# Altium PCB DB46.PcbDoc (part 1 of 6) (continued)
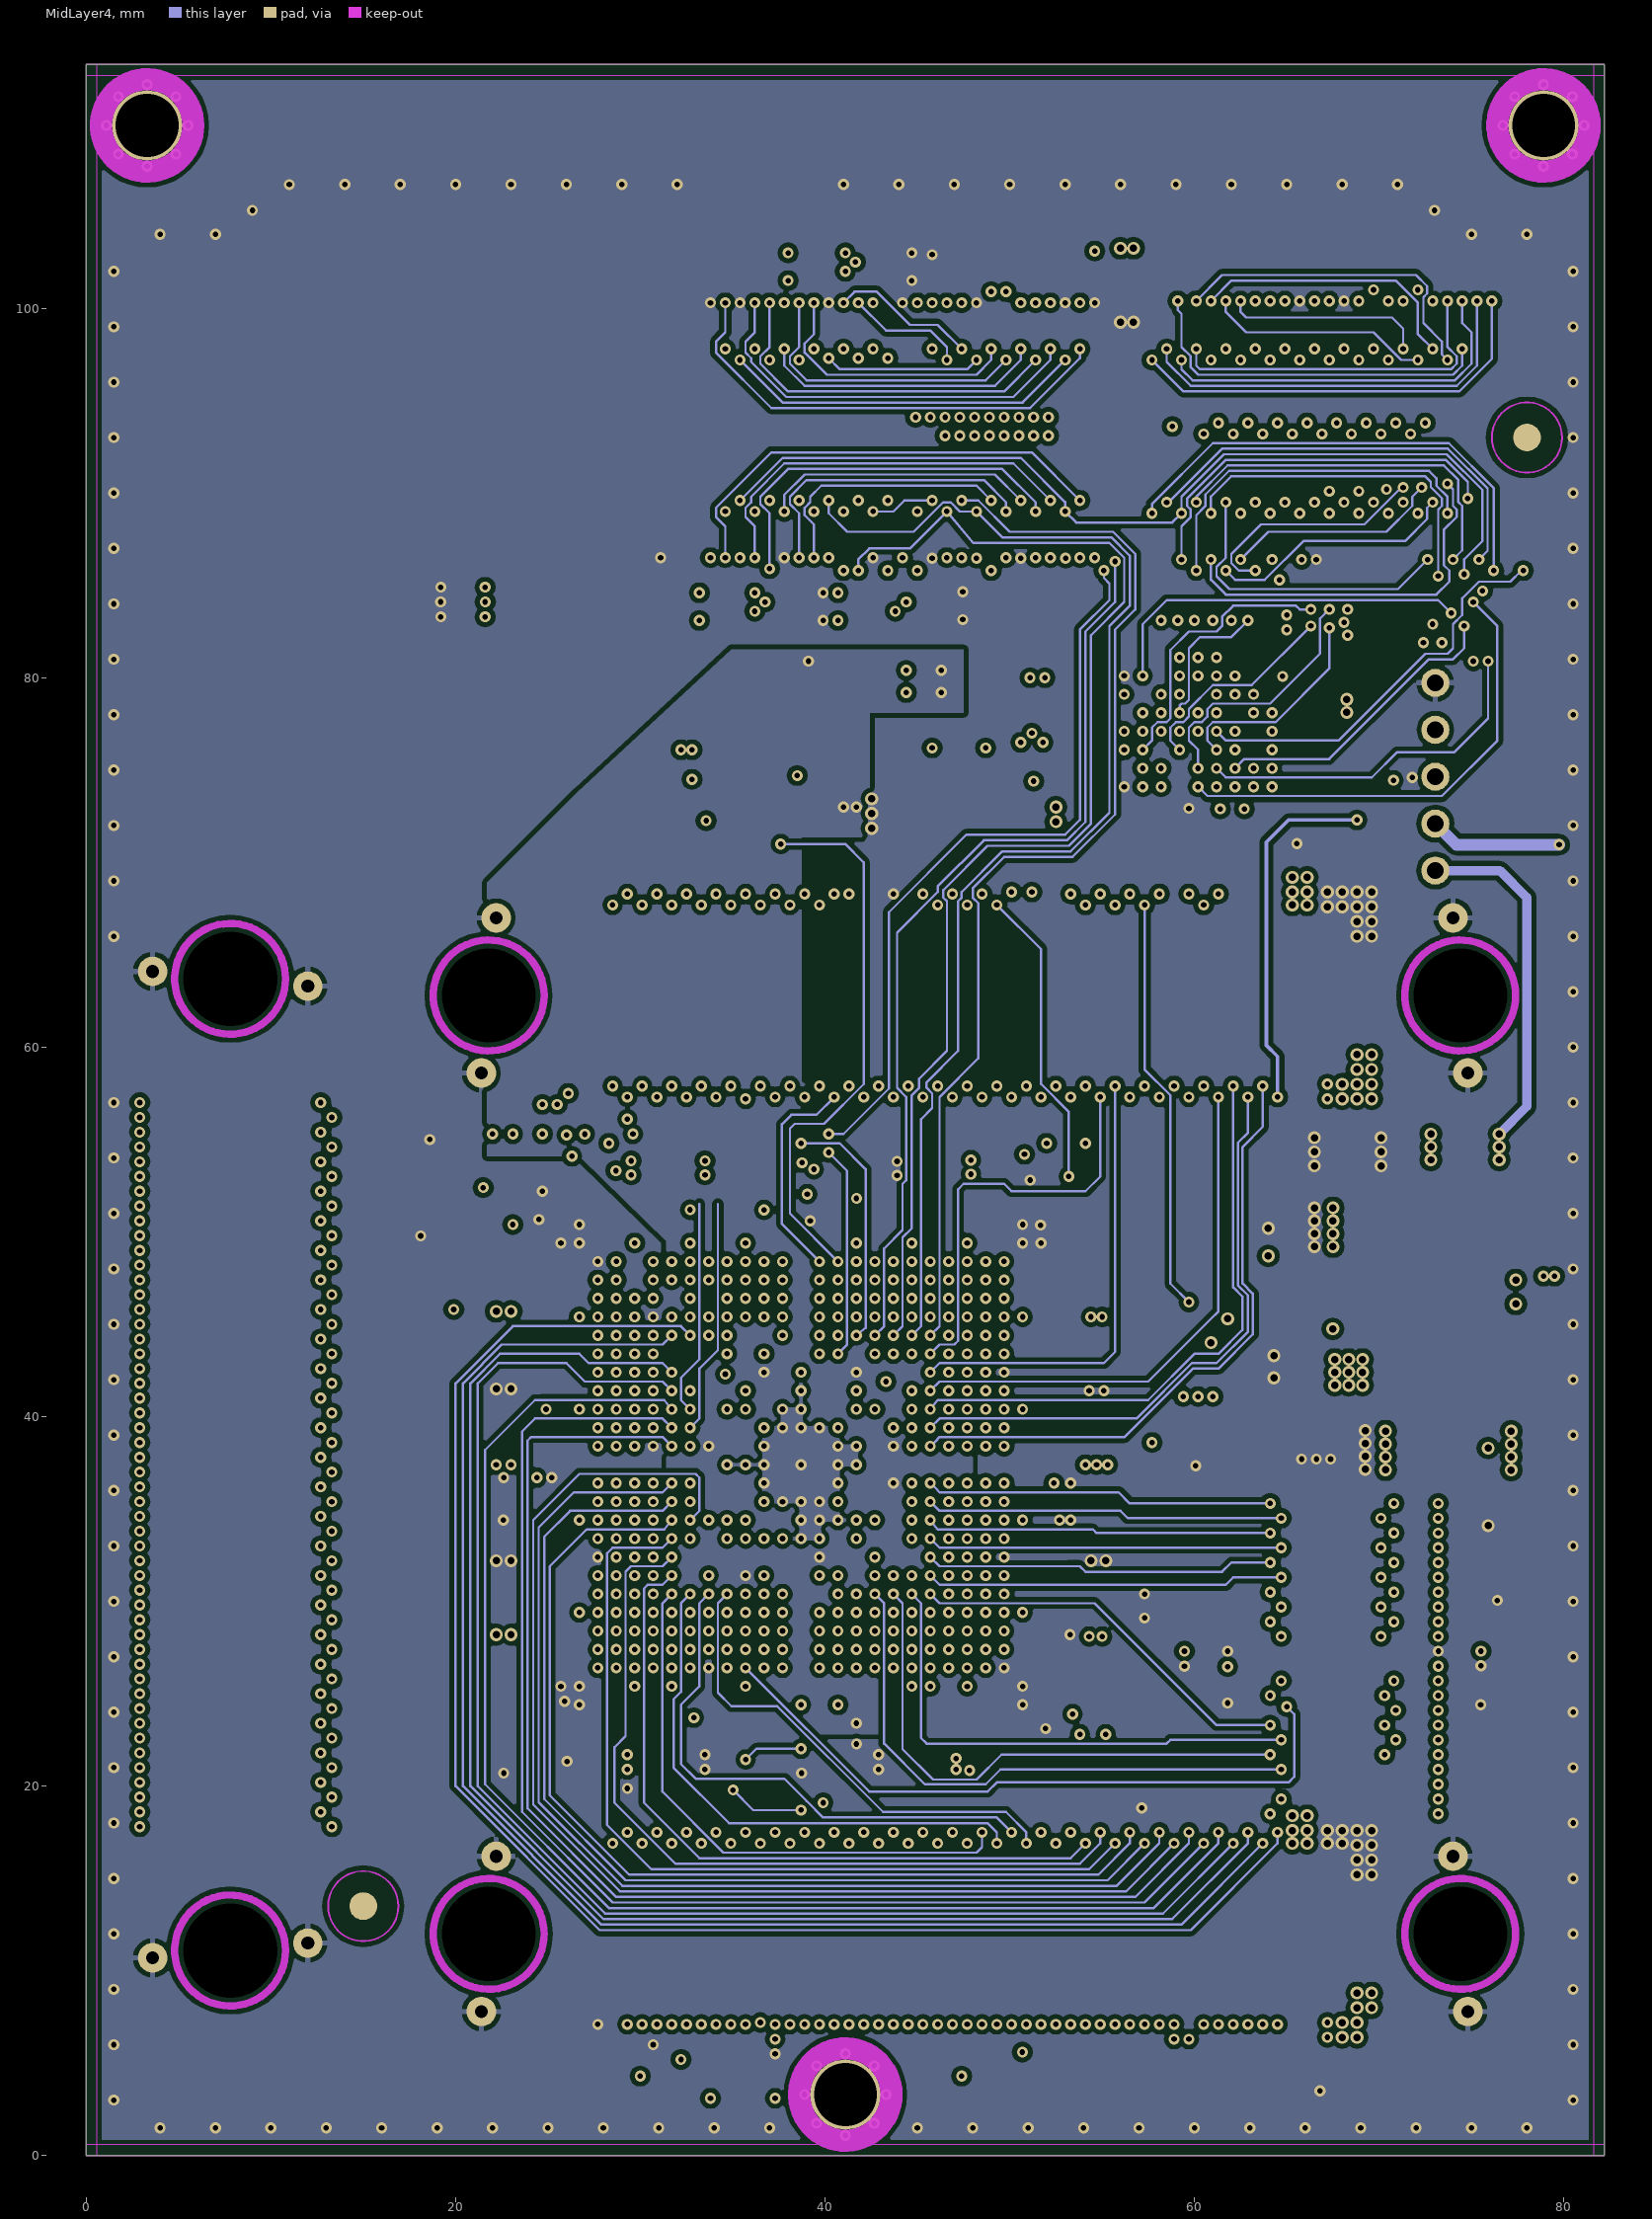
[diagram p7: MidLayer4]

## Layer stack, top to bottom
Top Solder: solder mask 0.0102, Solder Resist, Dk 3.5
Top Layer: signal copper 0.0432
Dielectric1: prepreg 0.127, FR-4, Dk 4.2
MidLayer1: signal copper 0.0356
Dielectric2: core 0.254, FR-4, Dk 4.2
MidLayer2: signal copper 0.0356
Dielectric3: prepreg 0.133, FR-4, Dk 4.2
GND: plane copper 0.036, net GND
Dielectric6: core 0.254, FR-4, Dk 4.2
MidLayer3: signal copper 0.0356
Dielectric4: prepreg 0.127, FR-4, Dk 4.2
VCC: plane copper 0.0356, net (Multiple Nets)
Dielectric7: core 0.254, FR-4, Dk 4.2
MidLayer4: signal copper 0.0356
Dielectric5: prepreg 0.127, FR-4, Dk 4.2
Bottom Layer: signal copper 0.0432
Bottom Solder: solder mask 0.0102, Solder Resist, Dk 3.5

## Board outline
0,0 0,113.2 38.7,113.2 82.2,113.2 82.2,0

## Design rules (kind name [scope] priority, off if disabled: settings)
Clearance Clearance_Poly_Tight [InNamedPolygon('FPGAPWR-BL-1V2') Or InNamedPolygon('FPGAPWR-BL-3V3') Or InNamedPolygon('FPGAPWR-BL-2V5A') Or InNamedPolygon('FPGAPWR-BL-2V5B') Or InNamedPolygon('FPGAPWR-BL-2V5C') Or InNamedPolygon('FPGAPWR-BL-2V5D') Or InNamedPolygon('FPGAPWR-ML1-1V2') Or InNamedPolygon('FPGAPWR-BL-2V5E') Or InNamedPolygon('1V2-CONNECT-TO-L1-C17' ) Or InNamedPolygon('2V5') Or InNamedPolygon('LX') Or InNamedPolygon('2V5-TOP-CAP') Or InNamedPolygon('AGND-TOP')] p1: gap=0.127 ignorepadtopadclearanceinfootprint=FALSE except(0: Arc-Hole Track-Hole SMDPad-Hole THPad-Hole Via-Hole Fill-Hole Poly-Hole Region-Hole Text-Hole)
Clearance Clearance_Polygon [InPolygon] p2: gap=0.254 ignorepadtopadclearanceinfootprint=FALSE except(0: Arc-Hole Track-Hole SMDPad-Hole THPad-Hole Via-Hole Fill-Hole Poly-Hole Region-Hole Text-Hole)
Clearance "Pad-Pad Clearance Same Net" [IsPad vs IsPad] p3: gap=0.127 ignorepadtopadclearanceinfootprint=FALSE except(0: Arc-Hole Track-Hole SMDPad-Hole THPad-Hole Via-Hole Fill-Hole Poly-Hole Region-Hole Text-Hole)
Clearance "General Clearance" [All] p4: gap=0.127 ignorepadtopadclearanceinfootprint=FALSE except(0: Arc-Hole Track-Hole SMDPad-Hole THPad-Hole Via-Hole Fill-Hole Poly-Hole Region-Hole Text-Hole)
ComponentClearance [All] p1 off: gap=0.2 collisioncheckmode=3 verticalgap=0.254 showdistances=FALSE
DiffPairsRouting [All] p1 off: maxlimit=0.254 minlimit=0.254 mostfreqgap=0.254 toplayer_minwidth=0.381 toplayer_maxwidth=0.381 toplayer_prefwidth=0.381 midlayer1_minwidth=0.381 midlayer1_maxwidth=0.381 midlayer1_prefwidth=0.381 midlayer2_minwidth=0.381 midlayer2_maxwidth=0.381 midlayer2_prefwidth=0.381 midlayer3_minwidth=0.381 midlayer3_maxwidth=0.381 midlayer3_prefwidth=0.381 midlayer4_minwidth=0.381 midlayer4_maxwidth=0.381 midlayer4_prefwidth=0.381 bottomlayer_minwidth=0.381 bottomlayer_maxwidth=0.381 bottomlayer_prefwidth=0.381 maxuncoupledlength=12.7
FabricationTestPointUsage TestPointUsage [All] p1 off: valid=0 allowmultiple=FALSE
FabricationTestpoint Testpoint [All] p1 off: side=3 testpointundercomponent=TRUE minsize=1.016 maxsize=2.54 preferedsize=1.524 minholesize=0 maxholesize=1.016 preferedholesize=0.813 testpointgrid=0.025 allowsidetop=TRUE allowsidebottom=TRUE usegrid=TRUE gridtolerance=0
HoleSize [All] p1: absolutevalues=TRUE maxlimit=5.2 minlimit=0 maxpercent=80.000 minpercent=20.000
MatchedLengths DiffPair_MatchedLengths [(IsDifferentialPair And (Name = 'HDMI_D0')) Or (IsDifferentialPair And (Name = 'HDMI_D1')) Or (IsDifferentialPair And (Name = 'HDMI_D2')) Or (IsDifferentialPair And (Name = 'HDMI_CLK'))] p1: tolerance=25.4 checknetsindiffpair=TRUE checkdiffpairvsdiffpair=FALSE checkxsignals=FALSE checkothers=FALSE
MatchedLengths DiffPair_MatchedLengths_1 [(IsDifferentialPair And (Name = 'DIFF_RX1'))] p2: tolerance=25.4 checknetsindiffpair=TRUE checkdiffpairvsdiffpair=FALSE checkxsignals=FALSE checkothers=FALSE
MinimumAnnularRing MinimumAnnularRing_NonPlated [(ObjectKind = 'Pad') And (HoleDiameter >= '0.7') And (PadIsPlated = 'False')] p1: minimumring=-5
MinimumAnnularRing [All] p2: minimumring=0.15
MinimumSolderMaskSliver [All] p1: minsoldermaskwidth=0.102
PlaneClearance [All] p1: clearance=0.3
PlaneConnect [All] p1: planeconnectstyle=Direct reliefexpansion=0.5 reliefentries=4 reliefconductorwidth=0.25 reliefairgap=0.25
PolygonConnect PolygonConnect_Via [IsVia] p1: connectstyle=Direct reliefconductorwidth=0.254 reliefentries=4 polygonreliefangle="90 Angle" airgapwidth=0.254
PolygonConnect "PolygonConnect - Heatsink" [(HasFootprint('TO-263') AND InNet('VCCINT'))] p2: connectstyle=Direct reliefconductorwidth=0.254 reliefentries=4 polygonreliefangle="90 Angle" airgapwidth=0.254
PolygonConnect [All] p3: connectstyle=Relief reliefconductorwidth=0.3 reliefentries=4 polygonreliefangle="90 Angle" airgapwidth=0.254
RoutingLayers [All] p1: top layer_v5=FALSE mid layer 1_v5=FALSE mid layer 2_v5=FALSE mid layer 3_v5=FALSE mid layer 4_v5=FALSE bottom layer_v5=FALSE
RoutingVias [All] p1: holewidth=0.3 width=0.6 viastyle="Through Hole" minholewidth=0.3 minwidth=0.6 maxholewidth=0.5 maxwidth=0.9
ShortCircuit ShortCircuit_1 [Net = 'No Net' vs Net = 'No Net'] p1: allowed=TRUE
ShortCircuit [All] p2: allowed=FALSE
SilkToSilkClearance SilkToSilkClearance_InvToFill [(ObjectKind = 'Text') And (TextKind <> 'Stroke Font') vs isFill] p1: silktosilkclearance=0
SilkToSilkClearance SilkToSilkClearance_Labels [(ObjectKind = 'Text') And (TextKind <> 'Stroke Font') vs (ObjectKind = 'Text') And (TextKind <> 'Stroke Font')] p2: silktosilkclearance=0
SilkToSilkClearance SilkToSilkClearance_Pb [(ObjectKind = 'Text') And (StringText = 'Pb') vs istrack and onsilkscreen] p3: silktosilkclearance=0
SilkToSilkClearance [All] p4: silktosilkclearance=0.127
SilkToSolderMaskClearance SilkscreenOverComponentPads [IsPad] p1: minsilkscreentomaskgap=0.051 clearancetoexposedcopper=TRUE
SolderMaskExpansion SolderMaskExpansion_Vias [IsVia] p1: expansion=-0.65
SolderMaskExpansion [All] p2: expansion=0.038
Width [All] p1: maxlimit=2.5 minlimit=0.127 preferedwidth=0.127 minimp=50.000000 maximp=50.000000 favimp=50.000000
18 further rules are at their usual default settings.

## Classes and differential pairs
component class U_PSU: NT8 R22 TP1 TP2 TP3 TP4 TP5
component class U_PSU_MAX8860_ADJ: C88 C89 C90 R28 R29 U6
net class SRAM2_D[15..0]: SRAM2_D0 SRAM2_D1 SRAM2_D2 SRAM2_D3 SRAM2_D4 SRAM2_D5 SRAM2_D6 SRAM2_D7 SRAM2_D8 SRAM2_D9 SRAM2_D10 SRAM2_D11 SRAM2_D12 SRAM2_D13 SRAM2_D14 SRAM2_D15
net class BUS_A[24..1]: BUS_A1 BUS_A2 BUS_A3 BUS_A4 BUS_A5 BUS_A6 BUS_A7 BUS_A8 BUS_A9 BUS_A10 BUS_A11 BUS_A12 BUS_A13 BUS_A14 BUS_A15 BUS_A16 BUS_A17 BUS_A18 BUS_A19 BUS_A20 BUS_A21 BUS_A22 BUS_A23 BUS_A24
component class U_Bypass_2V5: C20_FP C23 C24 C24_FP C25 C25_FP C26 C27 C27_FP C28 C29 C30 C30_FP C31 C31_FP C32_FP C33_FP C34_FP C37_FP
component class U_PSU_MAX1831_1V2_ALT: C80 C81 C82 C83 C84 C85 C86 C87 L1 R23 R24 R25 R26 R27 TP7 TP8 U5
component class U_SRAM_K6R4016V1D-TC10T_256Kx162: C1_SM C2_SM C4_SM C103 C104 C105 C106 U1_SM U10
component class U_SRAM_K6R4016V1D-TC10T_256Kx161: C99 C100 C101 C102 U9
component class U_DaughterBoard_LEDS: C71 LED1 LED2 R1 R2 U2
component class U_1WB_DS2406_EPROM: C1 C2 U1
net class SRAM2_A[18..0]: SRAM2_A0 SRAM2_A1 SRAM2_A2 SRAM2_A3 SRAM2_A4 SRAM2_A5 SRAM2_A6 SRAM2_A7 SRAM2_A8 SRAM2_A9 SRAM2_A10 SRAM2_A11 SRAM2_A12 SRAM2_A13 SRAM2_A14 SRAM2_A15 SRAM2_A16 SRAM2_A17 SRAM2_A18
net class SRAM1_D[15..0]: SRAM1_D0 SRAM1_D1 SRAM1_D2 SRAM1_D3 SRAM1_D4 SRAM1_D5 SRAM1_D6 SRAM1_D7 SRAM1_D8 SRAM1_D9 SRAM1_D10 SRAM1_D11 SRAM1_D12 SRAM1_D13 SRAM1_D14 SRAM1_D15
net class SRAM1_A[18..0]: SRAM1_A0 SRAM1_A1 SRAM1_A2 SRAM1_A3 SRAM1_A4 SRAM1_A5 SRAM1_A6 SRAM1_A7 SRAM1_A8 SRAM1_A9 SRAM1_A10 SRAM1_A11 SRAM1_A12 SRAM1_A13 SRAM1_A14 SRAM1_A15 SRAM1_A16 SRAM1_A17 SRAM1_A18
net class EXTEND_C[49..0]: EXTEND_C0 EXTEND_C1 EXTEND_C2 EXTEND_C3 EXTEND_C4 EXTEND_C5 EXTEND_C6 EXTEND_C7 EXTEND_C8 EXTEND_C9 EXTEND_C10 EXTEND_C11 EXTEND_C12 EXTEND_C13 EXTEND_C14 EXTEND_C15 EXTEND_C16 EXTEND_C17 EXTEND_C18 EXTEND_C19 EXTEND_C20 EXTEND_C21 EXTEND_C22 EXTEND_C23 EXTEND_C24 EXTEND_C25 EXTEND_C26 EXTEND_C27 EXTEND_C28 EXTEND_C29 EXTEND_C30 EXTEND_C31 EXTEND_C32 EXTEND_C33 EXTEND_C34 EXTEND_C35 EXTEND_C36 EXTEND_C37 EXTEND_C38 EXTEND_C39 EXTEND_C40 EXTEND_C41 EXTEND_C42 EXTEND_C43 EXTEND_C44 EXTEND_C45 EXTEND_C46 EXTEND_C47 EXTEND_C48 EXTEND_C49
net class EXTEND_B[49..0]: EXTEND_B0 EXTEND_B1 EXTEND_B2 EXTEND_B3 EXTEND_B4 EXTEND_B5 EXTEND_B6 EXTEND_B7 EXTEND_B8 EXTEND_B9 EXTEND_B10 EXTEND_B11 EXTEND_B12 EXTEND_B13 EXTEND_B14 EXTEND_B15 EXTEND_B16 EXTEND_B17 EXTEND_B18 EXTEND_B19 EXTEND_B20 EXTEND_B21 EXTEND_B22 EXTEND_B23 EXTEND_B24 EXTEND_B25 EXTEND_B26 EXTEND_B27 EXTEND_B28 EXTEND_B29 EXTEND_B30 EXTEND_B31 EXTEND_B32 EXTEND_B33 EXTEND_B34 EXTEND_B35 EXTEND_B36 EXTEND_B37 EXTEND_B38 EXTEND_B39 EXTEND_B40 EXTEND_B41 EXTEND_B42 EXTEND_B43 EXTEND_B44 EXTEND_B45 EXTEND_B46 EXTEND_B47 EXTEND_B48 EXTEND_B49
net class EXTEND_A[49..0]: EXTEND_A0 EXTEND_A1 EXTEND_A2 EXTEND_A3 EXTEND_A4 EXTEND_A5 EXTEND_A6 EXTEND_A7 EXTEND_A8 EXTEND_A9 EXTEND_A10 EXTEND_A11 EXTEND_A12 EXTEND_A13 EXTEND_A14 EXTEND_A15 EXTEND_A16 EXTEND_A17 EXTEND_A18 EXTEND_A19 EXTEND_A20 EXTEND_A21 EXTEND_A22 EXTEND_A23 EXTEND_A24 EXTEND_A25 EXTEND_A26 EXTEND_A27 EXTEND_A28 EXTEND_A29 EXTEND_A30 EXTEND_A31 EXTEND_A32 EXTEND_A33 EXTEND_A34 EXTEND_A35 EXTEND_A36 EXTEND_A37 EXTEND_A38 EXTEND_A39 EXTEND_A40 EXTEND_A41 EXTEND_A42 EXTEND_A43 EXTEND_A44 EXTEND_A45 EXTEND_A46 EXTEND_A47 EXTEND_A48 EXTEND_A49
net class DAU_TFT_RED[4..0]: DAU_TFT_RED0 DAU_TFT_RED1 DAU_TFT_RED2 DAU_TFT_RED3 DAU_TFT_RED4
net class DAU_TFT_GREEN[5..0]: DAU_TFT_GREEN0 DAU_TFT_GREEN1 DAU_TFT_GREEN2 DAU_TFT_GREEN3 DAU_TFT_GREEN4 DAU_TFT_GREEN5
net class DAU_TFT_CL[3..1]: DAU_TFT_CL1 DAU_TFT_CL2 DAU_TFT_CL3
net class DAU_TFT_BLUE[4..0]: DAU_TFT_BLUE0 DAU_TFT_BLUE1 DAU_TFT_BLUE2 DAU_TFT_BLUE3 DAU_TFT_BLUE4
component class U_Bypass_Board: C1_PSU C4_MB C6_MB C69 C70
component class U_Bypass_3V3: C32 C33 C34 C35 C36 C37 C38 C39 C40 C41 C42 C43 C44 C45 C46 C46_FP C47 C47_FP C48 C48_FP C49 C49_FP C50 C51 C51_FP C52 C52_FP C53 C54 C55 C56 C56_FP C57 C58 C58_FP C59 C59_FP C60 C60_FP C61 C61_FP C62 C63 C64 C65 C65_FP C66 C67 C68 C69_FP C71_FP C72_FP C73_FP C79_FP C81_FP C82_FP C88_FP C90_FP C91_FP C93_FP C95_FP C96_FP C97_FP C98_FP C101_FP C102_FP C103_FP C104_FP C105_FP C106_FP
component class U_Bypass_1V2: C3 C4 C5 C6 C7 C8 C9 C10 C11 C12 C13 C14 C15 C16 C17 C18 C19 C20 C21 C22
component class U_MotherBoardConnectors: HDR_B1 HDR_L HDR_L1 HDR_T1 NT1
net class BUS_D[31..0]: BUS_D0 BUS_D1 BUS_D2 BUS_D3 BUS_D4 BUS_D5 BUS_D6 BUS_D7 BUS_D8 BUS_D9 BUS_D10 BUS_D11 BUS_D12 BUS_D13 BUS_D14 BUS_D15 BUS_D16 BUS_D17 BUS_D18 BUS_D19 BUS_D20 BUS_D21 BUS_D22 BUS_D23 BUS_D24 BUS_D25 BUS_D26 BUS_D27 BUS_D28 BUS_D29 BUS_D30 BUS_D31
net class BUS_NBE[3..0]: BUS_NBE0 BUS_NBE1 BUS_NBE2 BUS_NBE3
net class DIP[7..0]: DIP0 DIP1 DIP2 DIP3 DIP4 DIP5 DIP6 DIP7
net class FPGA_ID[3..0]: FPGA_ID0 FPGA_ID1 FPGA_ID2 FPGA_ID3
net class FPGA_M[2..0]: FPGA_M0 FPGA_M1 FPGA_M2
net class IO[35..0]: IO0 IO1 IO2 IO3 IO4 IO5 IO6 IO7 IO8 IO9 IO10 IO11 IO12 IO13 IO14 IO15 IO16 IO17 IO18 IO19 IO20 IO21 IO22 IO23 IO24 IO25 IO26 IO27 IO28 IO29 IO30 IO31 IO32 IO33 IO34 IO35
net class LED[7..0]: LED0 LED1 LED2 LED3 LED4 LED5 LED6 LED7
net class SW[4..0]: SW0 SW1 SW2 SW3 SW4
differential pair class DIFF_IN: DIFF_RX0 DIFF_RX1 DIFF_RX2 DIFF_RX3
differential pair class DIFF_OUT: DIFF_TX0 DIFF_TX1 DIFF_TX2 DIFF_TX3
net class PWRNET: 1V2 2V5 3V3 5V0 AGND
component class U_MOUNTS: "Altium Logo Bot1" "Altium Logo Top1" LB1 LB2 LB3 MH1 MH2 MH3 PCBA1
component class COM_FLASH: C72 C73 C74 C75 C76 C77 U3
component class U_CommonMemory_Termination: RN1 RN2 RN3 RN4 RN5 RN6
component class COM_SDRAM: C91 C92 C93 C94 C95 C96 C97 C98 U7 U8
component class U_FPGA: C78 C79 NT2 NT3 NT4 NT5 NT6 NT7 R3 R4 R5 R6 R7 R8 R9 R10 R11 R12 R13 R14 R15 R16 R17 U4
component class COM_SRAM: C107 C108 C109 C110 C111 C112 C113 C114 U11 U12
channel class SRAM_256Kx16_TSOP44: U_SRAM_K6R4016V1D-TC10T_256Kx161 U_SRAM_K6R4016V1D-TC10T_256Kx162
component class U_DB46_Hardware_Kit: FD1 FD2 PCB1

## Components (designator, comment, footprint, x,y, rotation, side; value= is the part's Value field where it differs from the comment)
"Altium Logo Bot1" "Altium" Logo-Altium 55.3,3.3 r180 bottom
"Altium Logo Top1" "Altium" Logo-Altium 26.7,3.3 r0 top
C1 "0.1uF 16V" CAPC1005-STAR 71.3,76.6 r180 bottom
C2 "10nF 16V" CAPC1005-STAR 71.3,75.4 r0 bottom
C3 "220uF 10V" CAPC7343-STAR 63.3,39.4 r0 bottom (schematic designator C5_MB)
C4 "10uF 10V" CAPC2012-STAR 22.6,39.4 r90 bottom (schematic designator C1_FP)
C5 "10uF 10V" CAPC2012-STAR 54.701,35.4 r270 bottom (schematic designator C2_FP)
C6 "10uF 10V" CAPC2012-STAR 54.7,39.4 r90 bottom (schematic designator C3_FP)
C7 "0.1uF 16V" CAPC1005-STAR 43,33.4 r0 bottom (schematic designator C4_FP)
C8 "0.1uF 16V" CAPC1005-STAR 41.7,35.7 r90 bottom (schematic designator C5_FP)
C9 "0.1uF 16V" CAPC1005-STAR 38,36.2 r0 bottom (schematic designator C6_FP)
C10 "0.1uF 16V" CAPC1005-STAR 39.4,38.6 r180 bottom (schematic designator C7_FP)
C11 "0.1uF 16V" CAPC1005-STAR 37.2,34.4 r0 bottom (schematic designator C8_FP)
C12 "0.1uF 16V" CAPC1005-STAR 40.4,41.4 r180 bottom (schematic designator C9_FP)
C13 "0.1uF 16V" CAPC1005-STAR 37.5,38.1 r270 bottom (schematic designator C10_FP)
C14 "0.1uF 16V" CAPC1005-STAR 35.7,39.1 r270 bottom (schematic designator C11_FP)
C15 "10nF 16V" CAPC1005-STAR 39.9,36.7 r90 bottom (schematic designator C12_FP)
C16 "10nF 16V" CAPC1005-STAR 42.7,35.7 r90 bottom (schematic designator C13_FP)
C17 "10nF 16V" CAPC1005-STAR 42.2,39.6 r180 bottom (schematic designator C14_FP)
C18 "10nF 16V" CAPC1005-STAR 36.6,40.9 r270 bottom (schematic designator C15_FP)
C19 "10nF 16V" CAPC1005-STAR 34.7,35.7 r90 bottom (schematic designator C16_FP)
C20 "10nF 16V" CAPC1005-STAR 35.7,35.7 r90 bottom (schematic designator C17_FP)
C21 "10nF 16V" CAPC1005-STAR 40.4,40.4 r180 bottom (schematic designator C18_FP)
C22 "10nF 16V" CAPC1005-STAR 34.7,39.1 r270 bottom (schematic designator C19_FP)
C23 "220uF 10V" CAPC7343-STAR 45.3,79.8 r180 bottom (schematic designator C3_MB)
C24 "10uF 10V" CAPC2012-STAR 39.7,23.2 r180 bottom (schematic designator C21_FP)
C25 "0.1uF 16V" CAPC1005-STAR 40.4,42.4 r180 bottom (schematic designator C22_FP)
C26 "0.1uF 16V" CAPC1005-STAR 42.7,37.8 r270 bottom (schematic designator C23_FP)
C27 "0.1uF 16V" CAPC1005-STAR 40.5,32.9 r90 bottom (schematic designator C26_FP)
C28 "10nF 16V" CAPC1005-STAR 37.7,41.9 r270 bottom (schematic designator C28_FP)
C29 "10nF 16V" CAPC1005-STAR 33.7,39.8 r90 bottom (schematic designator C29_FP)
C30 "10nF 16V" CAPC1005-STAR 43.7,34.8 r270 bottom (schematic designator C35_FP)
C31 "10nF 16V" CAPC1005-STAR 36.1,32.3 r0 bottom (schematic designator C36_FP)
C32 "10uF 10V" CAPC2012-STAR 31.5,53.5 r0 bottom (schematic designator C38_FP)
C33 "10uF 10V" CAPC2012-STAR 22.6,43.6 r270 bottom (schematic designator C39_FP)
C34 "10uF 10V" CAPC2012-STAR 45.903,53.474 r180 bottom (schematic designator C40_FP)
C35 "10uF 10V" CAPC2012-STAR 22.6,30.2 r90 bottom (schematic designator C41_FP)
C36 "10uF 10V" CAPC2012-STAR 54.7,43.4 r270 bottom (schematic designator C42_FP)
C37 "10uF 10V" CAPC2012-STAR 54.8,30.1 r90 bottom (schematic designator C43_FP)
C38 "10uF 10V" CAPC2012-STAR 45,21.3 r180 bottom (schematic designator C44_FP)
C39 "10uF 10V" CAPC2012-STAR 31.4,21.3 r0 bottom (schematic designator C45_FP)
C40 "0.1uF 16V" CAPC1005-STAR 32.7,32.1 r270 bottom (schematic designator C50_FP)
C41 "0.1uF 16V" CAPC1005-STAR 44.2,42.65 r180 bottom (schematic designator C53_FP)
C42 "0.1uF 16V" CAPC1005-STAR 26.2,39.65 r180 bottom (schematic designator C54_FP)
C43 "0.1uF 16V" CAPC1005-STAR 43.4,49.4 r180 bottom (schematic designator C55_FP)
C44 "0.1uF 16V" CAPC1005-STAR 26.699,46.9 r90 bottom (schematic designator C57_FP)
C45 "10nF 16V" CAPC1005-STAR 49.2,25.399 r0 bottom (schematic designator C62_FP)
C46 "10nF 16V" CAPC1005-STAR 64.451,70.401 r90 bottom (schematic designator C63_FP)
C47 "10nF 16V" CAPC1005-STAR 34.4,49.4 r180 bottom (schematic designator C64_FP)
C48 "10nF 16V" CAPC1005-STAR 49.2,49.4 r0 bottom (schematic designator C66_FP)
C49 "10nF 16V" CAPC1005-STAR 34.7,24.899 r90 bottom (schematic designator C67_FP)
C50 "10nF 16V" CAPC1005-STAR 42.5,42.1 r270 bottom (schematic designator C68_FP)
C51 "10nF 16V" CAPC1005-STAR 40.4,49.4 r180 bottom (schematic designator C70_FP)
C52 "10nF 16V" CAPC1005-STAR 43.9,40.7 r270 bottom (schematic designator C74_FP)
C53 "10nF 16V" CAPC1005-STAR 34,41.4 r0 bottom (schematic designator C75_FP)
C54 "10nF 16V" CAPC1005-STAR 31.95,50.4 r90 bottom (schematic designator C76_FP)
C55 "10nF 16V" CAPC1005-STAR 26.199,38.15 r0 bottom (schematic designator C77_FP)
C56 "10nF 16V" CAPC1005-STAR 34.5,32 r90 bottom (schematic designator C78_FP)
C57 "10nF 16V" CAPC1005-STAR 26.699,30.9 r90 bottom (schematic designator C80_FP)
C58 "10nF 16V" CAPC1005-STAR 41.9,31.9 r90 bottom (schematic designator C83_FP)
C59 "10nF 16V" CAPC1005-STAR 33.7,33 r270 bottom (schematic designator C84_FP)
C60 "10nF 16V" CAPC1005-STAR 52.701,37.4 r0 bottom (schematic designator C85_FP)
C61 "10nF 16V" CAPC1005-STAR 38.2,43.3 r180 bottom (schematic designator C86_FP)
C62 "10nF 16V" CAPC1005-STAR 50.701,30.9 r90 bottom (schematic designator C87_FP)
C63 "10nF 16V" CAPC1005-STAR 35.5,42.9 r270 bottom (schematic designator C89_FP)
C64 "10nF 16V" CAPC1005-STAR 50.7,33.1 r270 bottom (schematic designator C92_FP)
C65 "10nF 16V" CAPC1005-STAR 44.2,32.6 r180 bottom (schematic designator C94_FP)
C66 "10nF 16V" CAPC1005-STAR 33.7,35.7 r90 bottom (schematic designator C96_FP)
C67 "10nF 16V" CAPC1005-STAR 38.2,32.6 r0 bottom (schematic designator C99_FP)
C68 "10nF 16V" CAPC1005-STAR 28.199,49.4 r180 bottom (schematic designator C100_FP)
C69 "220uF 10V" CAPC7343-STAR 20.4,84.1 r180 bottom (schematic designator C1_MB)
C70 "220uF 10V" CAPC7343-STAR 47.5,72.7 r180 bottom (schematic designator C2_MB)
C71 "0.1uF 16V" CAPC1005-STAR 32,6 r0 bottom (schematic designator C1_SL)
C72 "0.1uF 16V" CAPC1005-STAR 60.2,71.1 r180 bottom (schematic designator C1)
C73 "0.1uF 16V" CAPC1005-STAR 57.5,82.125 r180 bottom (schematic designator C2)
C74 "10nF 16V" CAPC1005-STAR 55.4,75.4 r270 bottom (schematic designator C3)
C75 "10nF 16V" CAPC1005-STAR 60.2,72.1 r180 bottom (schematic designator C4)
C76 "10nF 16V" CAPC1005-STAR 57.5,80.925 r180 bottom (schematic designator C5)
C77 "0.1uF 16V" CAPC1005-STAR 54.4,75.4 r270 bottom (schematic designator C6)
C78 "10uF 10V" CAPC2012-STAR 70.25,78.425 r0 bottom (schematic designator C23_CM)
C79 "10uF 10V" CAPC2012-STAR 56.3,101.25 r270 bottom (schematic designator C24_CM)
C80 "470pF 50V" CAPC1005-STAR 74.8,44.2 r90 top (schematic designator C2_PS)
C81 "2.2uF 10V" CAPC1608-STAR 62.4,43 r180 top (schematic designator C4_PS)
C82 "220uF 10V" CAPC7343-STAR 71.5,54.6 r180 top (schematic designator C3_PS)
C83 "10uF 10V" CAPC2012-STAR 75.9,36.2 r270 top (schematic designator C5_PS)
C84 "22uF 10V" CAPC3225-STAR 69.8,38.2 r180 top (schematic designator C6_PS)
C85 "10uF 10V" CAPC2012-STAR 79.2,45.6 r270 top (schematic designator C8_PS)
C86 "22uF 10V" CAPC3225-STAR 67,50.2 r180 top (schematic designator C1_PS)